# Altium PCB 2.PcbDoc (part 1 of 2) (continued)
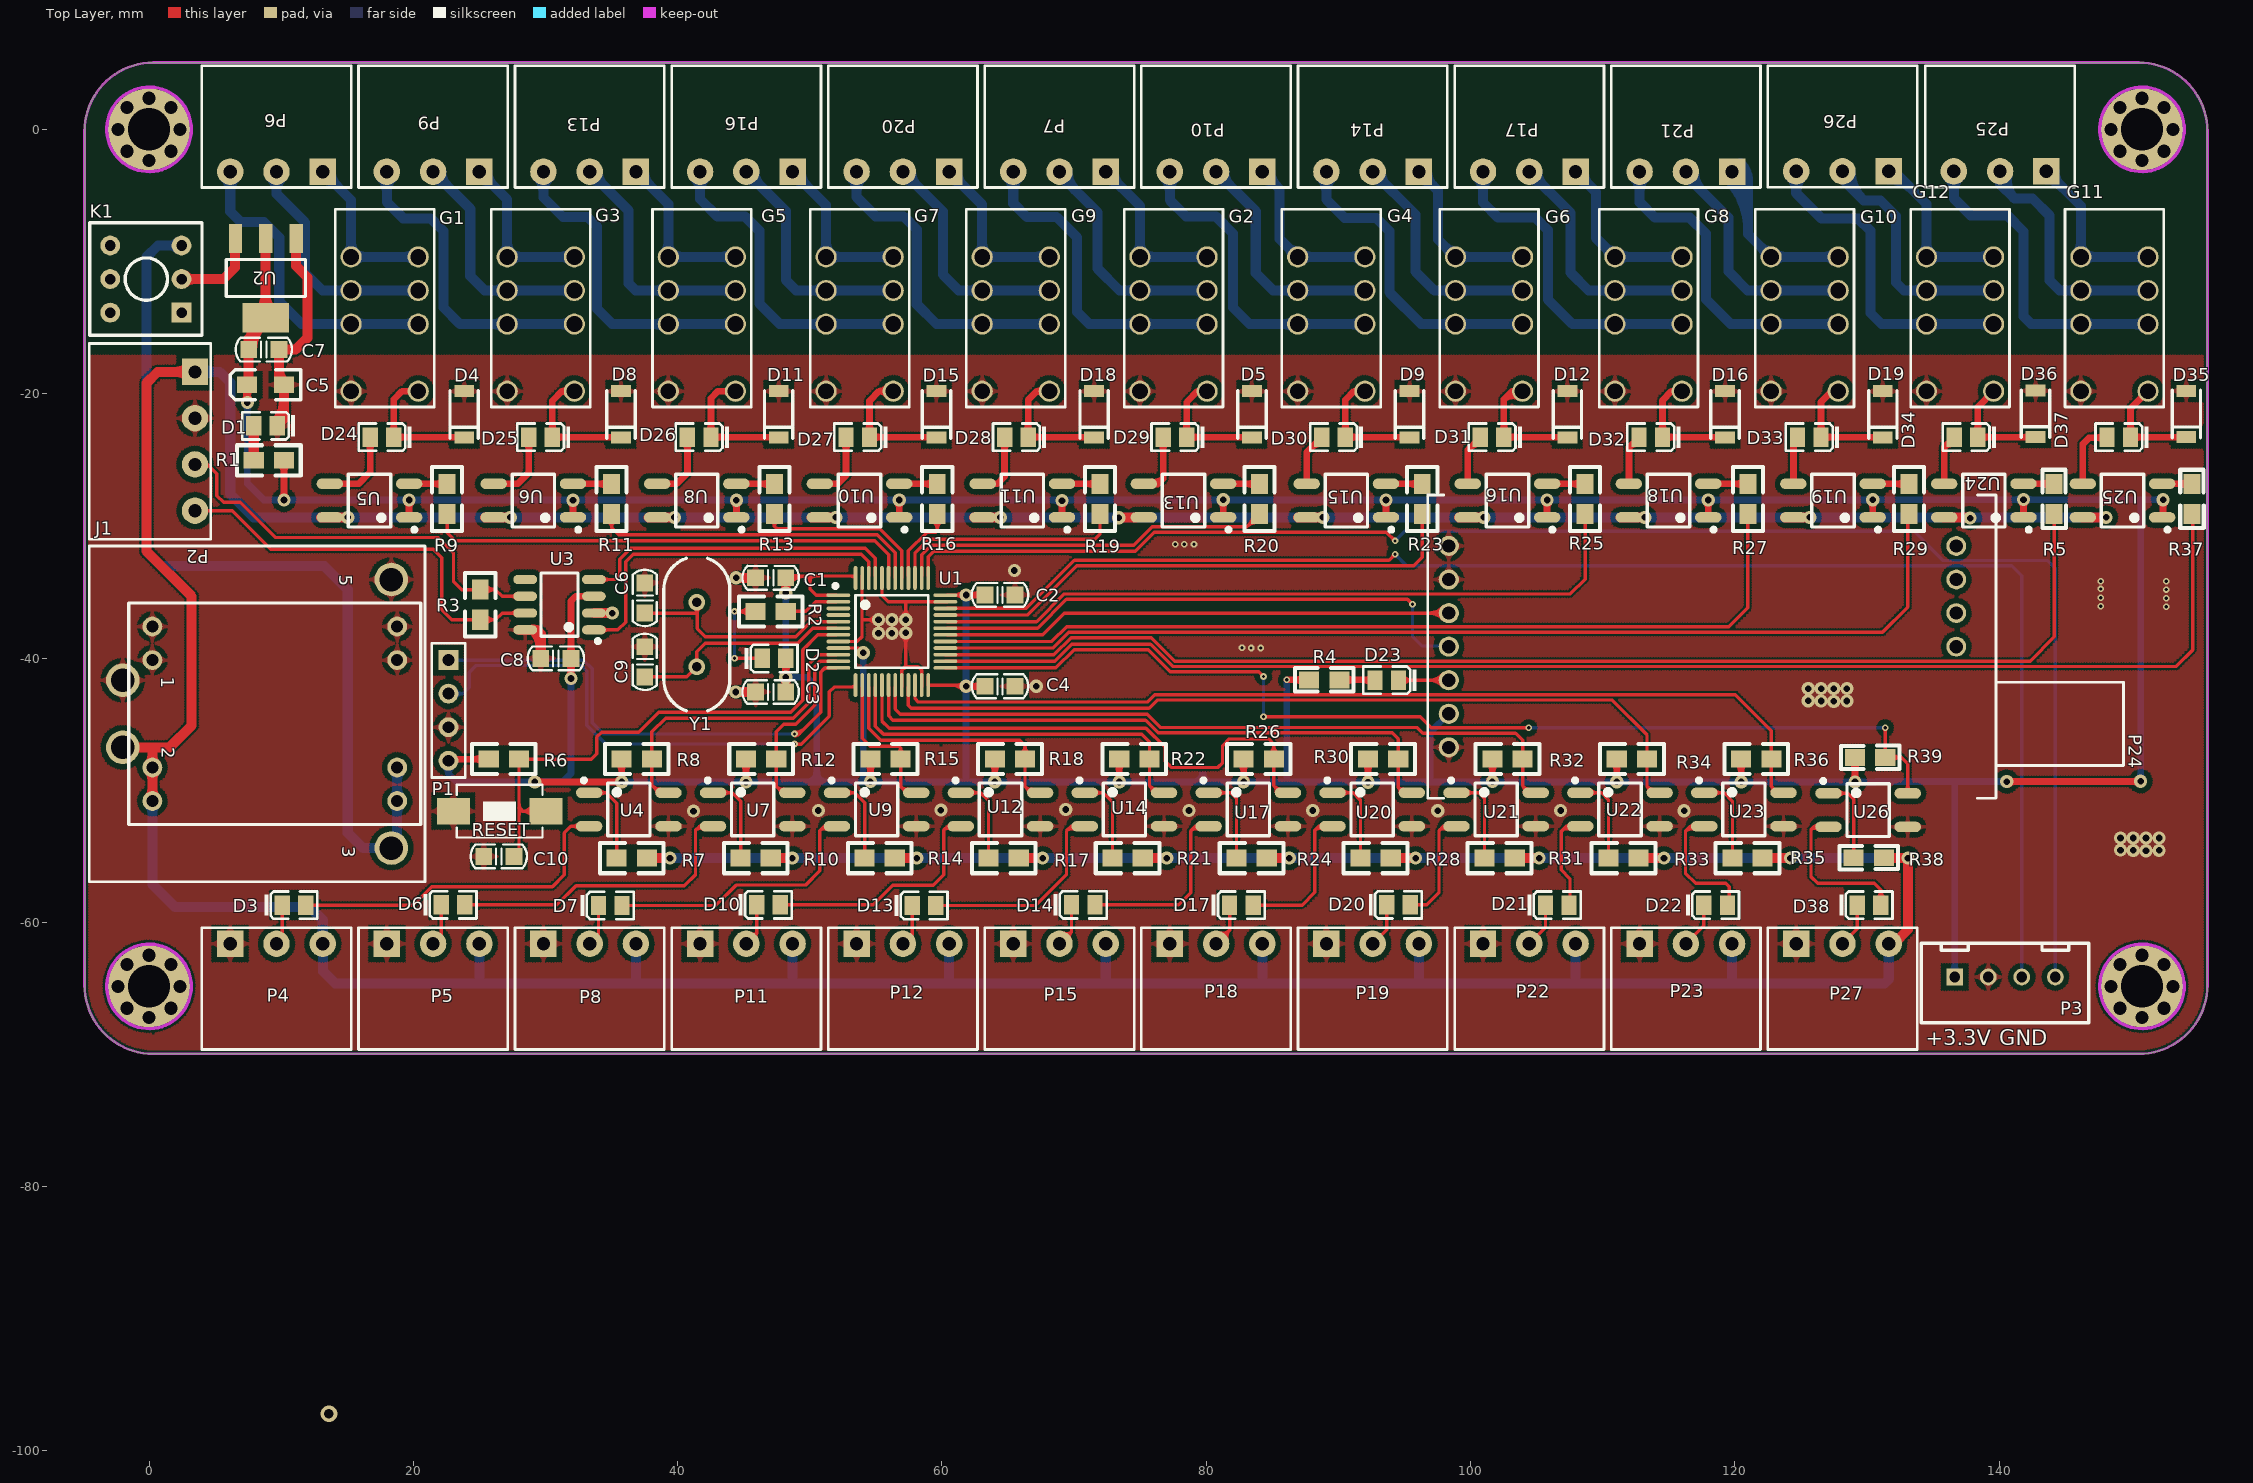
[diagram p0: Top Layer view]
## Nets (pads, with @x,y where several pads share a name; then routed paths per layer and width w, separated by ;. In a path a pad name is that pad's centre, name@x,y a point inside that pad or via, vN(x,y) a via of type N, cw(c..) or ccw(c..) an arc to the next point about the centre after c; other vN are vias at no path point) (continued)
CLOSE_4: G9.3 G9.10 P20.3 | length 30.9
  Bottom Layer w0.762: P20.3@53.106,-3.638 cw(c52.049,-4.695) 53.543,-4.695 cw(c55.038,-4.695) P20.3@53.981,-3.638 ; P20.3@53.543,-3.2 53.543,-5.131 54.991,-6.579 57.099,-6.579 58.09,-7.569 58.09,-13.233 59.588,-14.732 G9.3@63.043,-14.732 G9.10@68.123,-14.732 ; G9.3@62.747,-15.028 ccw(c62.031,-15.744) 62.031,-14.732 ccw(c62.031,-13.72) G9.3@62.747,-14.436 ; G9.3@63.339,-15.028 cw(c64.054,-15.744) 64.054,-14.732 cw(c64.054,-13.72) G9.3@63.339,-14.436 ; G9.10@67.827,-15.028 ccw(c67.111,-15.744) 67.111,-14.732 ccw(c67.111,-13.72) G9.10@67.827,-14.436
CLOSE_5: G2.3 G2.10 P7.3 | length 31.3
  Bottom Layer w0.762: P7.3@64.955,-3.638 cw(c63.898,-4.695) 65.392,-4.695 cw(c66.887,-4.695) P7.3@65.83,-3.638 ; P7.3@65.392,-3.2 65.392,-5.601 66.421,-6.629 68.682,-6.629 70.231,-8.179 70.231,-13.818 71.145,-14.732 G2.3@74.981,-14.732 G2.10@80.061,-14.732 ; G2.3@74.685,-15.028 ccw(c73.969,-15.744) 73.969,-14.732 ccw(c73.969,-13.72) G2.3@74.685,-14.436 ; G2.3@75.277,-15.028 cw(c75.992,-15.744) 75.992,-14.732 cw(c75.992,-13.72) G2.3@75.277,-14.436 ; G2.10@79.765,-15.028 ccw(c79.049,-15.744) 79.049,-14.732 ccw(c79.049,-13.72) G2.10@79.765,-14.436
CLOSE_6: G4.3 G4.10 P10.3 | length 31.2
  Bottom Layer w0.762: P10.3@76.804,-3.638 cw(c75.747,-4.695) 77.241,-4.695 cw(c78.736,-4.695) P10.3@77.679,-3.638 ; P10.3@77.241,-3.2 77.241,-5.359 78.461,-6.579 80.721,-6.579 82.017,-7.874 82.017,-13.487 83.261,-14.732 G4.3@86.919,-14.732 G4.10@91.999,-14.732 ; G4.3@86.623,-15.028 ccw(c85.907,-15.744) 85.907,-14.732 ccw(c85.907,-13.72) G4.3@86.623,-14.436 ; G4.3@87.215,-15.028 cw(c87.93,-15.744) 87.93,-14.732 cw(c87.93,-13.72) G4.3@87.215,-14.436 ; G4.10@91.703,-15.028 ccw(c90.987,-15.744) 90.987,-14.732 ccw(c90.987,-13.72) G4.10@91.703,-14.436
CLOSE_7: G6.3 G6.10 P14.3 | length 30.7
  Bottom Layer w0.762: P14.3@88.653,-3.638 cw(c87.596,-4.695) 89.09,-4.695 cw(c90.585,-4.695) P14.3@89.528,-3.638 ; P14.3@89.09,-3.2 89.09,-5.321 90.475,-6.706 92.862,-6.706 93.853,-7.696 93.853,-12.319 96.266,-14.732 G6.3@98.857,-14.732 G6.10@103.937,-14.732 ; G6.3@98.561,-15.028 ccw(c97.845,-15.744) 97.845,-14.732 ccw(c97.845,-13.72) G6.3@98.561,-14.436 ; G6.3@99.153,-15.028 cw(c99.868,-15.744) 99.868,-14.732 cw(c99.868,-13.72) G6.3@99.153,-14.436 ; G6.10@103.641,-15.028 ccw(c102.925,-15.744) 102.925,-14.732 ccw(c102.925,-13.72) G6.10@103.641,-14.436
CLOSE_8: G8.3 G8.10 P17.3 | length 31.4
  Bottom Layer w0.762: P17.3@100.502,-3.638 cw(c99.445,-4.695) 100.94,-4.695 cw(c102.434,-4.695) P17.3@101.377,-3.638 ; P17.3@100.94,-3.2 100.94,-5.537 102.083,-6.68 104.902,-6.68 105.842,-7.62 105.842,-12.878 107.696,-14.732 G8.3@110.922,-14.732 G8.10@116.002,-14.732 ; G8.3@110.626,-15.028 ccw(c109.91,-15.744) 109.91,-14.732 ccw(c109.91,-13.72) G8.3@110.626,-14.436 ; G8.3@111.218,-15.028 cw(c111.933,-15.744) 111.933,-14.732 cw(c111.933,-13.72) G8.3@111.218,-14.436 ; G8.10@115.706,-15.028 ccw(c114.99,-15.744) 114.99,-14.732 ccw(c114.99,-13.72) G8.10@115.706,-14.436
CLOSE_9: G10.3 G10.10 P21.3 | length 31.2
  Bottom Layer w0.762: P21.3@112.351,-3.638 cw(c111.294,-4.695) 112.789,-4.695 cw(c114.283,-4.695) P21.3@113.226,-3.638 ; P21.3@112.789,-3.2 112.789,-5.524 113.944,-6.68 116.586,-6.68 117.805,-7.899 117.805,-12.852 119.685,-14.732 G10.3@122.733,-14.732 G10.10@127.813,-14.732 ; G10.3@122.437,-15.028 ccw(c121.721,-15.744) 121.721,-14.732 ccw(c121.721,-13.72) G10.3@122.437,-14.436 ; G10.3@123.029,-15.028 cw(c123.744,-15.744) 123.744,-14.732 cw(c123.744,-13.72) G10.3@123.029,-14.436 ; G10.10@127.517,-15.028 ccw(c126.801,-15.744) 126.801,-14.732 ccw(c126.801,-13.72) G10.10@127.517,-14.436
CLOSE_10: G12.3 G12.10 P26.3 | length 31.4
  Bottom Layer w0.762: P26.3@124.2,-3.613 cw(c123.143,-4.669) 124.638,-4.669 cw(c126.132,-4.669) P26.3@125.075,-3.613 ; P26.3@124.638,-3.175 124.638,-4.826 126.568,-6.756 129.337,-6.756 130.251,-7.671 130.251,-13.894 131.089,-14.732 G12.3@134.493,-14.732 G12.10@139.573,-14.732 ; G12.3@134.197,-15.028 ccw(c133.481,-15.744) 133.481,-14.732 ccw(c133.481,-13.72) G12.3@134.197,-14.436 ; G12.3@134.789,-15.028 cw(c135.505,-15.744) 135.505,-14.732 cw(c135.505,-13.72) G12.3@134.789,-14.436 ; G12.10@139.277,-15.028 ccw(c138.561,-15.744) 138.561,-14.732 ccw(c138.561,-13.72) G12.10@139.277,-14.436
CLOSE_11: G11.3 G11.10 P25.3 | length 31.6
  Bottom Layer w0.762: P25.3@136.123,-3.613 cw(c135.066,-4.669) 136.561,-4.669 cw(c138.055,-4.669) P25.3@136.998,-3.613 ; P25.3@136.561,-3.175 136.561,-5.217 137.846,-6.502 140.614,-6.502 141.834,-7.722 141.834,-14.148 142.418,-14.732 G11.3@146.177,-14.732 G11.10@151.257,-14.732 ; G11.3@145.881,-15.028 ccw(c145.165,-15.744) 145.165,-14.732 ccw(c145.165,-13.72) G11.3@145.881,-14.436 ; G11.3@146.473,-15.028 cw(c147.189,-15.744) 147.189,-14.732 cw(c147.189,-13.72) G11.3@146.473,-14.436 ; G11.10@150.961,-15.028 ccw(c150.245,-15.744) 150.245,-14.732 ccw(c150.245,-13.72) G11.10@150.961,-14.436
COM0: G1.4 G1.9 P6.2 | length 24.8
  Bottom Layer w0.762: P6.2@9.209,-3.638 cw(c8.152,-4.695) 9.647,-4.695 cw(c11.141,-4.695) P6.2@10.084,-3.638 ; P6.2@9.647,-3.2 9.647,-4.872 11.811,-7.036 11.811,-10.871 13.132,-12.192 G1.4@15.291,-12.192 G1.9@20.371,-12.192 ; G1.4@14.995,-12.488 ccw(c14.279,-13.204) 14.279,-12.192 ccw(c14.279,-11.18) G1.4@14.995,-11.896 ; G1.4@15.587,-12.488 cw(c16.302,-13.204) 16.302,-12.192 cw(c16.302,-11.18) G1.4@15.587,-11.896 ; G1.9@20.075,-12.488 ccw(c19.359,-13.204) 19.359,-12.192 ccw(c19.359,-11.18) G1.9@20.075,-11.896
COM1: G3.4 G3.9 P9.2 | length 24.5
  Bottom Layer w0.762: P9.2@21.496,-3.819 cw(c21.496,-5.314) 22.553,-4.257 cw(c23.609,-3.2) P9.2@22.115,-3.2 ; P9.2@21.496,-3.2 24.308,-6.012 24.308,-11.1 25.4,-12.192 G3.4@27.102,-12.192 G3.9@32.182,-12.192 ; G3.4@26.806,-12.488 ccw(c26.09,-13.204) 26.09,-12.192 ccw(c26.09,-11.18) G3.4@26.806,-11.896 ; G3.4@27.398,-12.488 cw(c28.113,-13.204) 28.113,-12.192 cw(c28.113,-11.18) G3.4@27.398,-11.896 ; G3.9@31.886,-12.488 ccw(c31.17,-13.204) 31.17,-12.192 ccw(c31.17,-11.18) G3.9@31.886,-11.896
COM2: G5.4 G5.9 P13.2 | length 25.1
  Bottom Layer w0.762: P13.2@33.345,-3.819 cw(c33.345,-5.314) 34.402,-4.257 cw(c35.458,-3.2) P13.2@33.964,-3.2 ; P13.2@33.345,-3.2 36.297,-6.152 36.297,-11.659 36.83,-12.192 G5.4@39.294,-12.192 G5.9@44.374,-12.192 ; G5.4@38.998,-12.488 ccw(c38.282,-13.204) 38.282,-12.192 ccw(c38.282,-11.18) G5.4@38.998,-11.896 ; G5.4@39.59,-12.488 cw(c40.305,-13.204) 40.305,-12.192 cw(c40.305,-11.18) G5.4@39.59,-11.896 ; G5.9@44.078,-12.488 ccw(c43.362,-13.204) 43.362,-12.192 ccw(c43.362,-11.18) G5.9@44.078,-11.896
COM3: G7.4 G7.9 P16.2 | length 25
  Bottom Layer w0.762: P16.2@45.194,-3.819 cw(c45.194,-5.314) 46.251,-4.257 cw(c47.307,-3.2) P16.2@45.813,-3.2 ; P16.2@45.194,-3.2 48.184,-6.19 48.184,-11.405 48.971,-12.192 G7.4@51.232,-12.192 G7.9@56.312,-12.192 ; G7.4@50.936,-12.488 ccw(c50.22,-13.204) 50.22,-12.192 ccw(c50.22,-11.18) G7.4@50.936,-11.896 ; G7.4@51.528,-12.488 cw(c52.243,-13.204) 52.243,-12.192 cw(c52.243,-11.18) G7.4@51.528,-11.896 ; G7.9@56.016,-12.488 ccw(c55.3,-13.204) 55.3,-12.192 ccw(c55.3,-11.18) G7.9@56.016,-11.896
COM4: G9.4 G9.9 P20.2 | length 24.7
  Bottom Layer w0.762: P20.2@57.043,-3.819 cw(c57.043,-5.314) 58.1,-4.257 cw(c59.157,-3.2) P20.2@57.662,-3.2 ; P20.2@57.043,-3.2 60.071,-6.228 60.071,-10.998 61.265,-12.192 G9.4@63.043,-12.192 G9.9@68.123,-12.192 ; G9.4@62.747,-12.488 ccw(c62.031,-13.204) 62.031,-12.192 ccw(c62.031,-11.18) G9.4@62.747,-11.896 ; G9.4@63.339,-12.488 cw(c64.054,-13.204) 64.054,-12.192 cw(c64.054,-11.18) G9.4@63.339,-11.896 ; G9.9@67.827,-12.488 ccw(c67.111,-13.204) 67.111,-12.192 ccw(c67.111,-11.18) G9.9@67.827,-11.896
COM5: G2.4 G2.9 P7.2 | length 24.6
  Bottom Layer w0.762: P7.2@68.892,-3.819 cw(c68.892,-4.805) 69.589,-4.108 ; P7.2@68.892,-3.2 68.892,-3.411 71.78,-6.299 71.78,-10.541 73.431,-12.192 G2.4@74.981,-12.192 G2.9@80.061,-12.192 ; P7.2@69.511,-3.2 ccw(c71.514,-3.2) 70.098,-4.617 ; G2.4@74.685,-12.488 ccw(c73.969,-13.204) 73.969,-12.192 ccw(c73.969,-11.18) G2.4@74.685,-11.896 ; G2.4@75.277,-12.488 cw(c75.992,-13.204) 75.992,-12.192 cw(c75.992,-11.18) G2.4@75.277,-11.896 ; G2.9@79.765,-12.488 ccw(c79.049,-13.204) 79.049,-12.192 ccw(c79.049,-11.18) G2.9@79.765,-11.896
COM6: G4.4 G4.9 P10.2 | length 24.8
  Bottom Layer w0.762: P10.2@80.741,-3.819 cw(c80.741,-5.314) 81.798,-4.257 cw(c82.855,-3.2) P10.2@81.36,-3.2 ; P10.2@80.741,-3.2 83.744,-6.203 83.744,-10.871 85.065,-12.192 G4.4@86.919,-12.192 G4.9@91.999,-12.192 ; G4.4@86.623,-12.488 ccw(c85.907,-13.204) 85.907,-12.192 ccw(c85.907,-11.18) G4.4@86.623,-11.896 ; G4.4@87.215,-12.488 cw(c87.93,-13.204) 87.93,-12.192 cw(c87.93,-11.18) G4.4@87.215,-11.896 ; G4.9@91.703,-12.488 ccw(c90.987,-13.204) 90.987,-12.192 ccw(c90.987,-11.18) G4.9@91.703,-11.896
COM7: G6.4 G6.9 P14.2 | length 24.7
  Bottom Layer w0.762: P14.2@92.591,-3.819 cw(c92.591,-5.314) 93.647,-4.257 cw(c94.704,-3.2) P14.2@93.21,-3.2 ; P14.2@92.591,-3.2 95.834,-6.444 95.834,-10.77 97.257,-12.192 G6.4@98.857,-12.192 G6.9@103.937,-12.192 ; G6.4@98.561,-12.488 ccw(c97.845,-13.204) 97.845,-12.192 ccw(c97.845,-11.18) G6.4@98.561,-11.896 ; G6.4@99.153,-12.488 cw(c99.868,-13.204) 99.868,-12.192 cw(c99.868,-11.18) G6.4@99.153,-11.896 ; G6.9@103.641,-12.488 ccw(c102.925,-13.204) 102.925,-12.192 ccw(c102.925,-11.18) G6.9@103.641,-11.896
COM8: G8.4 G8.9 P17.2 | length 25
  Bottom Layer w0.762: P17.2@104.44,-3.819 cw(c104.44,-5.314) 105.496,-4.257 cw(c106.553,-3.2) P17.2@105.059,-3.2 ; P17.2@104.44,-3.2 107.569,-6.33 107.569,-10.846 108.915,-12.192 G8.4@110.922,-12.192 G8.9@116.002,-12.192 ; G8.4@110.626,-12.488 ccw(c109.91,-13.204) 109.91,-12.192 ccw(c109.91,-11.18) G8.4@110.626,-11.896 ; G8.4@111.218,-12.488 cw(c111.933,-13.204) 111.933,-12.192 cw(c111.933,-11.18) G8.4@111.218,-11.896 ; G8.9@115.706,-12.488 ccw(c114.99,-13.204) 114.99,-12.192 ccw(c114.99,-11.18) G8.9@115.706,-11.896
COM9: G10.4 G10.9 P21.2 | length 24.7
  Bottom Layer w0.762: P21.2@116.289,-3.819 cw(c116.289,-4.682) 116.899,-4.072 ; P21.2@116.665,-3.2 116.665,-3.838 119.507,-6.68 119.507,-10.744 120.955,-12.192 G10.4@122.733,-12.192 G10.9@127.813,-12.192 ; P21.2@116.908,-3.2 ccw(c119.033,-3.2) 117.53,-4.704 ; G10.4@122.437,-12.488 ccw(c121.721,-13.204) 121.721,-12.192 ccw(c121.721,-11.18) G10.4@122.437,-11.896 ; G10.4@123.029,-12.488 cw(c123.744,-13.204) 123.744,-12.192 cw(c123.744,-11.18) G10.4@123.029,-11.896 ; G10.9@127.517,-12.488 ccw(c126.801,-13.204) 126.801,-12.192 ccw(c126.801,-11.18) G10.9@127.517,-11.896
COM10: G12.4 G12.9 P26.2 | length 25.6
  Bottom Layer w0.762: P26.2@128.138,-3.175 128.138,-3.779 129.743,-5.385 131.013,-5.385 132.182,-6.553 132.182,-11.582 132.791,-12.192 G12.4@134.493,-12.192 G12.9@139.573,-12.192 ; P26.2@128.757,-3.175 ccw(c131.71,-3.175) 129.622,-5.263 ; G12.4@134.197,-12.488 ccw(c133.481,-13.204) 133.481,-12.192 ccw(c133.481,-11.18) G12.4@134.197,-11.896 ; G12.4@134.789,-12.488 cw(c135.505,-13.204) 135.505,-12.192 cw(c135.505,-11.18) G12.4@134.789,-11.896 ; G12.9@139.277,-12.488 ccw(c138.561,-13.204) 138.561,-12.192 ccw(c138.561,-11.18) G12.9@139.277,-11.896
COM11: G11.4 G11.9 P25.2 | length 26.5
  Bottom Layer w0.762: P25.2@139.923,-3.136 ccw(c141.08,-3.464) 140.23,-4.314 ; P25.2@140.061,-3.175 140.061,-4.145 141.148,-5.232 ; P25.2@140.656,-3.344 ccw(c142.511,-3.87) 141.148,-5.232 ; G11.4@145.881,-12.488 ccw(c145.165,-13.204) 145.165,-12.192 ccw(c145.165,-11.18) G11.4@145.881,-11.896 ; G11.4@146.473,-12.488 cw(c147.189,-13.204) 147.189,-12.192 cw(c147.189,-11.18) G11.4@146.473,-11.896 ; G11.9@150.961,-12.488 ccw(c150.245,-13.204) 150.245,-12.192 ccw(c150.245,-11.18) G11.9@150.961,-11.896 ; G11.9@151.257,-12.192 G11.4@146.177,-12.192 144.577,-12.192 143.815,-11.43 143.815,-6.528 142.519,-5.232 141.148,-5.232
DI0: D3.K P4.2 | length 3.1
  Top Layer w0.254: P4.2@9.647,-61.62 10.083,-61.184 D3.K@10.083,-58.699
DI1: D6.K P5.2 | length 3.2
  Top Layer w0.254: P5.2@21.496,-61.62 22.122,-60.994 D6.K@22.122,-58.674
DI2: D7.K P8.2 | length 3.5
  Top Layer w0.254: P8.2@33.69,-61.62 P8.2@33.345,-61.62 34.01,-60.956 D7.K@34.01,-58.725
DI3: D10.K P11.2 | length 4
  Top Layer w0.254: P11.2@45.194,-61.62 45.973,-60.842 ; P11.2@45.654,-60.878 ccw(c45.79,-60.659) 45.973,-60.842 ; P11.2@45.936,-61.16 cw(c46.156,-61.024) 45.973,-60.842 ; D10.K@45.973,-58.674 45.973,-60.842
DI4: D13.K P12.2 | length 4
  Top Layer w0.254: P12.2@57.397,-61.62 P12.2@57.043,-61.62 57.759,-60.905 ; P12.2@57.563,-60.919 ccw(c57.653,-60.799) 57.759,-60.905 ; P12.2@57.744,-61.1 cw(c57.864,-61.011) 57.759,-60.905 ; D13.K@57.759,-58.725 57.759,-60.905
DI5: D14.K P15.2 | length 4.9
  Top Layer w0.254: P15.2@69.241,-60.82 ccw(c69.442,-60.359) 69.798,-60.715 ; P15.2@69.25,-61.62 P15.2@68.892,-61.62 69.798,-60.715 ; P15.2@69.693,-61.272 cw(c70.154,-61.071) 69.798,-60.715 ; D14.K@69.798,-58.674 69.798,-60.715
DI6: D17.K P18.2 | length 6.2
  Top Layer w0.254: P18.2@80.741,-61.62 81.762,-60.6 ; P18.2@80.926,-61.03 ccw(c81.086,-60.518) 81.465,-60.897 ccw(c81.844,-61.276) P18.2@81.332,-61.436 ; P18.2@81.002,-60.787 ccw(c81.227,-60.066) 81.762,-60.6 ; P18.2@81.575,-61.36 cw(c82.296,-61.135) 81.762,-60.6 ; D17.K@81.762,-58.699 81.762,-60.6
DI7: D20.K P19.2 | length 3.4
  Top Layer w0.254: P19.2@92.591,-61.62 93.649,-60.562 D20.K@93.649,-58.674
DI8: D21.K P22.2 | length 3.4
  Top Layer w0.254: P22.2@104.44,-61.62 105.663,-60.397 D21.K@105.663,-58.699
DI9: D22.K P23.2 | length 3.5
  Top Layer w0.254: P23.2@116.289,-61.62 117.652,-60.257 D22.K@117.652,-58.699
DI10: D38.K P27.2 | length 3.4
  Top Layer w0.254: P27.2@128.138,-61.62 129.26,-60.499 D38.K@129.26,-58.699
DII0: R8.1 U1.10 U4.4 | length 25.3
  Top Layer w0.254: 38.074,-49.656 ccw(c38.704,-49.026) U4.4@38.704,-49.917 ; 38.306,-49.889 cw(c38.004,-50.19) U4.4@38.431,-50.19 ; U4.4@39.954,-50.19 38.608,-50.19 38.049,-49.632 R8.1@38.049,-47.65 38.049,-45.593 39.091,-44.552 48.754,-44.552 49.911,-43.395 49.911,-40.462 50.625,-39.748 U1.10@52.01,-39.748
DII1: R12.1 U1.11 U7.4 | length 15.6
  Top Layer w0.254: 47.719,-49.979 cw(c47.507,-50.19) U7.4@47.806,-50.19 ; U7.4@48.044,-49.92 cw(c47.953,-49.23) 47.461,-49.722 ; U7.4@49.329,-50.19 47.93,-50.19 47.461,-49.722 ; U1.11@52.01,-40.248 50.771,-40.248 50.368,-40.652 50.368,-43.584 48.944,-45.009 48.031,-45.009 47.461,-45.579 R12.1@47.461,-47.65 47.461,-49.722
DII2: R15.1 U1.14 U9.4 | length 13.8
  Top Layer w0.254: U1.14@53.96,-42.198 53.96,-46.061 54.585,-46.685 56.744,-46.685 56.873,-46.815 ; R15.1@56.64,-47.199 ccw(c56.441,-46.815) 56.873,-46.815 ; 57.077,-49.94 cw(c56.826,-50.19) U9.4@57.181,-50.19 ; R15.1@57.107,-47.199 cw(c57.306,-46.815) 56.873,-46.815 ; U9.4@57.418,-49.92 cw(c57.331,-49.278) 56.873,-49.736 ; U9.4@58.704,-50.19 57.328,-50.19 56.873,-49.736 ; 56.873,-49.736 R15.1@56.873,-47.65 56.873,-46.815
DII3: R18.1 U1.15 U12.4 | length 22.9
  Top Layer w0.254: U1.15@54.46,-42.198 54.46,-45.302 55.386,-46.228 65.879,-46.228 66.286,-46.634 ; R18.1@65.981,-47.244 ccw(c65.524,-46.634) 66.286,-46.634 ; 66.436,-49.9 cw(c66.146,-50.19) U12.4@66.556,-50.19 ; R18.1@66.59,-47.244 cw(c67.047,-46.634) 66.286,-46.634 ; U12.4@66.791,-49.92 cw(c66.709,-49.326) 66.286,-49.75 ; U12.4@68.079,-50.19 66.726,-50.19 66.286,-49.75 ; 66.286,-49.75 R18.1@66.286,-47.65 66.286,-46.634
DII4: R22.1 U1.16 U14.4 | length 30.5
  Top Layer w0.254: U1.16@54.96,-42.198 54.96,-45.156 55.575,-45.771 75.133,-45.771 75.698,-46.335 R22.1@75.698,-47.65 75.698,-49.637 76.251,-50.19 U14.4@77.454,-50.19 ; 75.704,-49.644 cw(c75.158,-50.19) U14.4@75.931,-50.19 ; 75.818,-49.758 ccw(c76.204,-49.372) U14.4@76.204,-49.917
DII5: R26.1 U1.17 U17.4 | length 43.8
  Top Layer w0.254: U1.17@55.46,-42.198 55.46,-44.767 56.007,-45.314 75.438,-45.314 76.886,-46.761 76.886,-47.803 77.368,-48.285 80.874,-48.285 81.229,-47.93 81.229,-46.634 81.737,-46.126 84.709,-46.126 85.11,-46.527 ; R26.1@84.774,-47.269 ccw(c84.122,-46.527) 85.11,-46.527 ; 85.232,-49.774 ccw(c85.579,-49.428) U17.4@85.579,-49.917 ; U17.4@85.306,-50.173 ccw(c84.632,-50.129) 85.11,-49.651 ; R26.1@85.445,-47.269 cw(c86.097,-46.527) 85.11,-46.527 ; U17.4@86.829,-50.19 85.649,-50.19 85.11,-49.651 ; 85.11,-49.651 R26.1@85.11,-47.65 85.11,-46.527
DII6: R30.1 U1.18 U20.4 | length 47.8
  Top Layer w0.254: U1.18@55.96,-42.198 55.96,-44.378 56.286,-44.704 75.403,-44.704 76.368,-45.669 94.065,-45.669 94.522,-46.126 R30.1@94.522,-47.65 94.522,-49.792 ; U20.4@94.681,-50.186 ccw(c94.139,-50.176) 94.522,-49.792 ; U20.4@94.912,-49.921 cw(c94.844,-49.471) 94.522,-49.792 ; U20.4@96.204,-50.19 94.92,-50.19 94.522,-49.792
DII7: R32.1 U1.19 U21.4 | length 56.2
  Top Layer w0.254: U1.19@56.46,-42.198 56.46,-43.862 56.845,-44.247 75.521,-44.247 76.537,-45.263 95.961,-45.263 96.393,-45.695 103.401,-45.695 103.934,-46.228 R32.1@103.934,-47.65 103.934,-49.68 ; 104.061,-49.807 ccw(c104.328,-49.539) U21.4@104.328,-49.917 ; U21.4@104.062,-50.129 ccw(c103.594,-50.02) 103.934,-49.68 ; U21.4@105.578,-50.19 104.445,-50.19 103.934,-49.68
DII8: R34.1 U1.21 U22.4 | length 65.1
  Top Layer w0.254: U1.21@57.46,-42.198 57.46,-43.592 57.658,-43.79 75.667,-43.79 76.276,-43.18 110.704,-43.18 113.346,-45.822 R34.1@113.346,-47.65 113.346,-49.694 ; U22.4@113.444,-50.105 ccw(c113.061,-49.979) 113.346,-49.694 ; 113.475,-49.823 ccw(c113.703,-49.595) U22.4@113.703,-49.917 ; U22.4@114.953,-50.19 113.843,-50.19 113.346,-49.694
DII9: R36.1 U1.22 U23.4 | length 73.5
  Top Layer w0.254: U1.22@57.96,-42.198 57.96,-43.076 58.217,-43.332 75.549,-43.332 76.108,-42.774 120.015,-42.774 122.758,-45.517 R36.1@122.758,-47.65 122.758,-49.708 ; U23.4@122.828,-50.081 ccw(c122.521,-49.945) 122.758,-49.708 ; U23.4@124.328,-50.19 123.241,-50.19 122.758,-49.708
DII10: R39.1 U1.25 U26.4 | length 88.5
  Top Layer w0.254: U1.25@60.26,-40.748 68.621,-40.748 69.996,-39.373 75.613,-39.373 77.286,-41.046 83.972,-41.046 v2(84.328,-41.402) ; v2@84.205,-41.402 ccw(c83.908,-41.402) 84.118,-41.192 ccw(c84.328,-40.982) v2@84.328,-41.279 ; v2(84.328,-44.45) 96.19,-44.45 97.028,-45.288 v2(104.394,-45.288) ; v2@84.415,-44.537 cw(c84.625,-44.747) 84.625,-44.45 cw(c84.625,-44.153) v2@84.415,-44.363 ; v2@104.307,-45.375 ccw(c104.097,-45.585) 104.097,-45.288 ccw(c104.097,-44.991) v2@104.307,-45.201 ; v2@131.282,-45.375 cw(c131.072,-45.585) 131.369,-45.585 cw(c131.666,-45.585) v2@131.456,-45.375 ; v2(131.369,-45.288) R39.1@131.369,-47.523 132.512,-47.523 ; R39.1@131.902,-47.828 cw(c132.512,-48.285) 132.512,-47.523 ; R39.1@131.902,-47.219 ccw(c132.512,-46.761) 132.512,-47.523 ; U26.4@132.883,-50.048 ccw(c132.417,-49.582) 133.076,-49.582 ccw(c133.735,-49.582) U26.4@133.269,-50.048 ; U26.4@133.076,-50.241 133.076,-47.986 132.563,-47.473 132.512,-47.523
  Bottom Layer w0.254: v2@84.241,-44.363 ccw(c84.031,-44.153) 84.328,-44.153 ccw(c84.625,-44.153) v2@84.415,-44.363 ; v2@84.241,-41.489 cw(c84.031,-41.699) 84.328,-41.699 cw(c84.625,-41.699) v2@84.415,-41.489 ; v2(84.328,-44.45) v2(84.328,-41.402) ; v2(104.394,-45.288) v2(131.369,-45.288) ; v2@104.481,-45.375 cw(c104.691,-45.585) 104.691,-45.288 cw(c104.691,-44.991) v2@104.481,-45.201 ; v2@131.282,-45.375 ccw(c131.072,-45.585) 131.072,-45.288 ccw(c131.072,-44.991) v2@131.282,-45.201
DO0: D4.2 D24.K G1.12 | length 12.6
  Top Layer w0.508: D24.K@18.287,-22.906 ccw(c17.731,-22.35) 18.518,-22.35 ccw(c19.305,-22.35) D24.K@18.748,-22.906 ; D24.K@18.518,-23.292 23.83,-23.292 D4.2@23.851,-23.312 ; D24.K@18.518,-22.657 18.518,-20.446 19.152,-19.812 G1.12@20.371,-19.812 ; D24.K@18.748,-23.522 cw(c19.305,-24.079) 19.305,-23.292 cw(c19.305,-22.505) D24.K@18.748,-23.061 ; 23.029,-23.292 cw(c23.029,-23.834) D4.2@23.412,-23.451
DO1: D8.2 D25.K G3.12 | length 13.3
  Top Layer w0.508: D25.K@30.287,-22.906 ccw(c29.731,-22.35) 30.518,-22.35 ccw(c31.305,-22.35) D25.K@30.748,-22.906 ; D25.K@30.518,-23.292 35.689,-23.292 D8.2@35.71,-23.312 ; D25.K@30.518,-22.657 30.518,-20.536 31.242,-19.812 ; D25.K@30.748,-23.522 cw(c31.305,-24.079) 31.305,-23.292 cw(c31.305,-22.505) D25.K@30.748,-23.061 ; G3.12@31.707,-20.082 ccw(c31.242,-20.348) 31.242,-19.812 ; G3.12@31.707,-19.542 cw(c31.242,-19.276) 31.242,-19.812 ; G3.12@32.182,-19.812 31.242,-19.812 ; 34.888,-23.292 cw(c34.888,-23.834) D8.2@35.271,-23.451
DO2: D11.2 D26.K G5.12 | length 12.4
  Top Layer w0.508: D26.K@42.287,-22.906 ccw(c41.731,-22.35) 42.518,-22.35 ccw(c43.305,-22.35) D26.K@42.748,-22.906 ; D26.K@42.518,-23.292 47.625,-23.292 D11.2@47.645,-23.312 ; D26.K@42.518,-22.657 42.518,-20.347 43.053,-19.812 G5.12@44.374,-19.812 ; D26.K@42.748,-23.522 cw(c43.305,-24.079) 43.305,-23.292 cw(c43.305,-22.505) D26.K@42.748,-23.061 ; 46.823,-23.292 cw(c46.823,-23.834) D11.2@47.206,-23.451
DO3: D15.2 D27.K G7.12 | length 13.6
  Top Layer w0.508: D27.K@54.287,-22.906 ccw(c53.731,-22.35) 54.518,-22.35 ccw(c55.305,-22.35) D27.K@54.748,-22.906 ; D27.K@54.518,-23.292 59.56,-23.292 D15.2@59.58,-23.312 ; D27.K@54.518,-22.657 54.518,-20.539 55.245,-19.812 ; D27.K@54.748,-23.522 cw(c55.305,-24.079) 55.305,-23.292 cw(c55.305,-22.505) D27.K@54.748,-23.061 ; G7.12@55.869,-20.131 ccw(c55.245,-20.581) 55.245,-19.812 ; G7.12@55.869,-19.493 cw(c55.245,-19.043) 55.245,-19.812 ; G7.12@56.312,-19.812 55.245,-19.812 ; 58.758,-23.292 cw(c58.758,-23.834) D15.2@59.141,-23.451
DO4: D18.2 D28.K G9.12 | length 13.1
  Top Layer w0.508: D28.K@66.287,-22.906 ccw(c65.731,-22.35) 66.518,-22.35 ccw(c67.305,-22.35) D28.K@66.748,-22.906 ; D28.K@66.518,-23.292 71.495,-23.292 D18.2@71.515,-23.312 ; D28.K@66.518,-22.657 66.518,-20.477 67.183,-19.812 ; D28.K@66.748,-23.522 cw(c67.305,-24.079) 67.305,-23.292 cw(c67.305,-22.505) D28.K@66.748,-23.061 ; G9.12@67.648,-20.082 ccw(c67.183,-20.348) 67.183,-19.812 ; G9.12@67.648,-19.542 cw(c67.183,-19.276) 67.183,-19.812 ; G9.12@68.123,-19.812 67.183,-19.812 ; 70.693,-23.292 cw(c70.693,-23.834) D18.2@71.077,-23.451
DO5: D5.2 D29.K G2.12 | length 11.7
  Top Layer w0.508: D29.K@78.288,-22.906 ccw(c77.731,-22.35) 78.518,-22.35 ccw(c79.305,-22.35) D29.K@78.749,-22.906 ; D29.K@78.518,-23.292 83.43,-23.292 D5.2@83.45,-23.312 ; D29.K@78.518,-22.657 78.518,-20.644 79.35,-19.812 G2.12@80.061,-19.812 ; D29.K@78.749,-23.522 cw(c79.305,-24.079) 79.305,-23.292 cw(c79.305,-22.505) D29.K@78.749,-23.061 ; 82.628,-23.292 cw(c82.628,-23.834) D5.2@83.012,-23.451
DO6: D9.2 D30.K G4.12 | length 12.5
  Top Layer w0.508: D30.K@90.288,-22.906 ccw(c89.731,-22.35) 90.518,-22.35 ccw(c91.305,-22.35) D30.K@90.749,-22.906 ; D30.K@90.518,-23.292 95.365,-23.292 D9.2@95.385,-23.312 ; D30.K@90.518,-22.657 90.518,-20.48 91.186,-19.812 ; D30.K@90.749,-23.522 cw(c91.305,-24.079) 91.305,-23.292 cw(c91.305,-22.505) D30.K@90.749,-23.061 ; G4.12@91.493,-20.018 ccw(c91.186,-20.144) 91.186,-19.812 ; G4.12@91.493,-19.606 cw(c91.186,-19.48) 91.186,-19.812 ; G4.12@91.999,-19.812 91.186,-19.812 ; 94.563,-23.292 cw(c94.563,-23.834) D9.2@94.947,-23.451
DO7: D12.2 D31.K G6.12 | length 13.9
  Top Layer w0.508: D31.K@102.288,-22.906 ccw(c101.731,-22.35) 102.518,-22.35 ccw(c103.305,-22.35) D31.K@102.749,-22.906 ; D31.K@102.518,-23.292 107.3,-23.292 D12.2@107.321,-23.312 ; D31.K@102.518,-22.657 102.518,-20.443 ; D31.K@102.749,-23.522 cw(c103.305,-24.079) 103.305,-23.292 cw(c103.305,-22.505) D31.K@102.749,-23.061 ; 102.99,-19.971 cw(c103.537,-20.518) G6.12@103.918,-19.845 ; G6.12@103.668,-20.287 ccw(c103.196,-21.12) 102.518,-20.443 ; G6.12@103.937,-19.812 103.149,-19.812 102.518,-20.443 ; 106.499,-23.292 cw(c106.499,-23.834) D12.2@106.882,-23.451
DO8: D16.2 D32.K G8.12 | length 11.6
  Top Layer w0.508: D32.K@114.288,-22.906 ccw(c113.731,-22.35) 114.518,-22.35 ccw(c115.305,-22.35) D32.K@114.749,-22.906 ; D32.K@114.518,-23.292 119.236,-23.292 D16.2@119.256,-23.312 ; D32.K@114.518,-22.657 114.518,-20.508 115.214,-19.812 G8.12@116.002,-19.812 ; D32.K@114.749,-23.522 cw(c115.305,-24.079) 115.305,-23.292 cw(c115.305,-22.505) D32.K@114.749,-23.061 ; 118.434,-23.292 cw(c118.434,-23.834) D16.2@118.817,-23.451
DO9: D19.2 D33.K G10.12 | length 11.2
  Top Layer w0.508: D33.K@126.288,-22.906 ccw(c125.731,-22.35) 126.518,-22.35 ccw(c127.305,-22.35) D33.K@126.749,-22.906 ; D33.K@126.518,-23.292 131.171,-23.292 D19.2@131.191,-23.312 ; D33.K@126.518,-22.657 126.518,-20.624 127.33,-19.812 G10.12@127.813,-19.812 ; D33.K@126.749,-23.522 cw(c127.305,-24.079) 127.305,-23.292 cw(c127.305,-22.505) D33.K@126.749,-23.061 ; 130.369,-23.292 cw(c130.369,-23.834) D19.2@130.752,-23.451
DO10: D34.K D36.2 G12.12 | length 11.3
  Top Layer w0.508: D34.K@138.15,-22.906 ccw(c137.593,-22.35) 138.38,-22.35 ccw(c139.167,-22.35) D34.K@138.611,-22.906 ; D34.K@138.611,-23.522 cw(c139.167,-24.079) 139.167,-23.292 cw(c139.167,-22.505) D34.K@138.611,-23.061 ; G12.12@139.573,-19.812 138.38,-21.005 D34.K@138.38,-23.292 142.723,-23.292 D36.2@142.748,-23.266 ; 141.913,-23.292 ccw(c141.913,-22.732) D36.2@142.309,-23.128
DO11: D35.2 D37.K G11.12 | length 11.5
  Top Layer w0.508: D37.K@149.707,-22.906 ccw(c149.15,-22.35) 149.937,-22.35 ccw(c150.724,-22.35) D37.K@150.168,-22.906 ; D37.K@150.168,-23.522 cw(c150.724,-24.079) 150.724,-23.292 cw(c150.724,-22.505) D37.K@150.168,-23.061 ; G11.12@151.257,-19.812 149.937,-21.132 D37.K@149.937,-23.292 D35.2@154.153,-23.292 ; D35.2@153.714,-23.43 ccw(c153.379,-23.765) 153.379,-23.292 ccw(c153.379,-22.819) D35.2@153.714,-23.153
DOO0: R9.1 U1.43 | length 37.1
  Top Layer w0.254: R9.1@22.555,-29.108 22.555,-30.531 23.165,-31.14 54.915,-31.14 55.96,-32.186 U1.43@55.96,-33.798
DOO1: R11.1 U1.42 | length 26.3
  Top Layer w0.254: R11.1@34.733,-29.667 cw(c34.432,-30.15) 35.001,-30.15 ; R11.1@35.001,-29.108 35.001,-30.15 ; R11.1@35.27,-29.667 ccw(c35.57,-30.15) 35.001,-30.15 ; U1.42@56.46,-33.948 56.46,-32.039 55.104,-30.683 35.535,-30.683 35.001,-30.15
DOO2: R13.1 U1.41 | length 14.2
  Top Layer w0.254: R13.1@47.111,-29.698 cw(c46.964,-30.023) 47.32,-30.023 ; R13.1@47.32,-29.108 47.32,-30.023 ; R13.1@47.53,-29.698 ccw(c47.676,-30.023) 47.32,-30.023 ; U1.41@56.96,-33.948 56.96,-31.893 55.294,-30.226 47.523,-30.226 47.32,-30.023
DOO3: R16.1 U1.40 | length 7.6
  Top Layer w0.254: U1.40@57.46,-33.798 57.46,-31.897 58.852,-30.505 59.487,-30.505 59.639,-30.353 ; R16.1@59.305,-29.618 cw(c58.664,-30.353) 59.639,-30.353 ; R16.1@59.639,-29.108 59.639,-30.353 ; R16.1@59.973,-29.618 ccw(c60.614,-30.353) 59.639,-30.353
DOO4: R19.1 U1.39 | length 17.8
  Top Layer w0.254: U1.39@57.96,-33.798 57.96,-32.044 58.99,-31.013 71.552,-31.013 71.958,-30.607 R19.1@71.958,-29.108
DOO5: R20.1 U1.38 | length 30.8
  Top Layer w0.254: U1.38@58.46,-33.798 58.48,-33.779 58.48,-32.17 59.18,-31.471 74.508,-31.471 75.905,-30.074 83.058,-30.074 ; 83.246,-29.886 ccw(c82.595,-29.235) R20.1@83.515,-29.235 ; R20.1@83.441,-29.69 cw(c83.936,-30.185) R20.1@84,-29.488 ; R20.1@83.977,-29.741 ccw(c83.872,-30.887) 83.058,-30.074 ; R20.1@84.023,-29.108 83.058,-30.074
DOO6: R23.1 U1.33 | length 41
  Top Layer w0.254: U1.33@60.41,-36.748 66.463,-36.748 70.192,-33.02 95.707,-33.02 96.342,-32.385 R23.1@96.342,-29.108
DOO7: R25.1 U1.32 | length 54.5
  Top Layer w0.254: U1.32@60.41,-37.248 67.155,-37.248 69.25,-35.154 107.544,-35.154 108.661,-34.036 R25.1@108.661,-29.108
DOO8: R27.1 U1.29 | length 68.7
  Top Layer w0.254: U1.29@60.41,-38.748 68.322,-38.748 69.428,-37.643 119.532,-37.643 120.98,-36.195 120.98,-34.925 R27.1@120.98,-29.108
DOO9: R29.1 U1.28 | length 81
  Top Layer w0.254: U1.28@60.41,-39.248 68.397,-39.248 69.596,-38.049 131.166,-38.049 133.071,-36.144 133.071,-29.21 R29.1@133.172,-29.108
DOO10: R5.1 U1.27 | length 95.2
  Top Layer w0.254: U1.27@60.26,-39.748 68.472,-39.748 69.764,-38.456 75.844,-38.456 77.622,-40.234 142.342,-40.234 144.17,-38.405 144.17,-29.134 R5.1@144.145,-29.108
DOO11: R37.1 U1.26 | length 106.4
  Top Layer w0.254: U1.26@60.26,-40.248 68.546,-40.248 69.828,-38.967 75.781,-38.967 77.454,-40.64 153.391,-40.64 154.635,-39.395 154.635,-29.159 R37.1@154.584,-29.108
GND: C1.2 C2.2 C3.2 C4.2 C5.2 C6.2 C7.1 C8.2 C9.2 C10.2 D1.K D4.1 D5.1 D8.1 D9.1 D11.1 D12.1 D15.1 D16.1 D18.1 D19.1 D35.1 D36.1 G1.1 G2.1 G3.1 G4.1 G5.1 G6.1 G7.1 G8.1 G9.1 G10.1 G11.1 G12.1 J1.1 J1.5 P1.3 P2.2 P3.2 P4.1 P5.1 P8.1 P11.1 P12.1 P15.1 P18.1 P19.1 P22.1 P23.1 P24.1 P24.6 P24.7 P27.1 RESET.2 U1.8 U1.20 U1.23 U1.35 U1.44 U1.47 U2.1 U3.2 U3.8 U4.3 U7.3 U9.3 U12.3 U14.3 U17.3 U20.3 U21.3 U22.3 U23.3 U26.3 | length 57.4
  Top Layer w0.254: U1.8@52.01,-38.748 53.606,-38.748 53.95,-38.405 53.95,-37.135 ; U1.47@53.96,-33.798 53.95,-33.809 53.95,-37.135 ; v1@54.93,-37.373 ccw(c54.294,-38.01) 54.294,-37.109 ccw(c54.294,-36.209) v1@54.93,-36.846 ; v1(55.194,-37.109) 53.975,-37.109 53.95,-37.135 ; U1.44@55.46,-33.798 55.46,-35.267 55.941,-35.748 57.277,-35.748 ; U1.20@56.96,-42.198 56.96,-40.906 57.201,-40.665 ; v1@56.988,-38.364 cw(c56.351,-39) 57.252,-39 cw(c58.152,-39) v1@57.515,-38.364 ; v1@56.988,-36.846 ccw(c56.351,-36.209) 57.252,-36.209 ccw(c58.152,-36.209) v1@57.515,-36.846 ; v1(57.252,-38.1) 57.252,-40.615 57.201,-40.665 ; v1(57.252,-37.109) 57.252,-35.774 57.277,-35.748 ; U1.23@58.46,-42.198 58.46,-40.934 58.191,-40.665 57.201,-40.665 ; U1.35@60.41,-35.748 57.277,-35.748
  Top Layer w0.762: D1.K@9.563,-22.132 ccw(c7.999,-20.569) 10.211,-20.569 ; 9.83,-18.103 ccw(c11.31,-18.103) C5.2@10.263,-19.15 ; D1.K@10.211,-21.921 C5.2@10.211,-19.329 9.83,-18.948 C7.1@9.83,-16.662 11.1,-16.662 11.989,-15.773 11.989,-11.201 11.114,-10.326 U2.1@11.114,-7.826 ; U3.8@27.991,-37.871 29.337,-37.871 29.642,-38.176 C8.2@29.642,-40.03 ; U3.8@29.014,-37.84 cw(c29.014,-38.545) 29.512,-38.047 ; U3.8@29.019,-37.841 cw(c28.905,-38.569) 29.642,-38.569 ; U3.8@29.036,-37.849 cw(c27.574,-39.312) 29.642,-39.312 ; U3.2@33.691,-36.601 v1(35.052,-36.601) ; v1(44.399,-42.57) C3.2@45.898,-42.57 ; v1(44.425,-33.934) C1.2@45.898,-33.934
  other v1: 151.105,-54.585 150.139,-54.559 152.095,-54.559 149.174,-54.534 149.174,-53.619 150.139,-53.619 151.105,-53.619 152.095,-53.619 41.199,-51.587 97.511,-51.562 116.154,-51.562 50.648,-51.537 78.689,-51.537 88.062,-51.537 106.807,-51.537 59.919,-51.511 69.367,-51.46 127.483,-43.282 126.517,-43.256 128.473,-43.256 125.552,-43.231 125.552,-42.316 126.517,-42.316 127.483,-42.316 128.473,-42.316 67.132,-42.139 55.194,-38.125 56.21,-38.125 56.21,-37.109 65.481,-33.376
  other v2: 83.388,-39.243 84.125,-39.243 82.702,-39.218 152.629,-36.119 147.676,-36.093 152.629,-35.484 147.676,-35.433 152.629,-34.823 147.676,-34.773 147.676,-34.188 152.629,-34.188 77.648,-31.394 78.334,-31.394 79.07,-31.394
JTCK: P3.4 U1.37 | length 121.1
  Top Layer w0.254: U1.37@58.96,-33.798 58.96,-32.337 59.369,-31.928 74.625,-31.928 76.073,-30.48 93.624,-30.48 v2(94.285,-31.14) ; v2@94.162,-31.14 ccw(c93.865,-31.14) 94.075,-30.93 ccw(c94.285,-30.72) v2@94.285,-31.017
  Bottom Layer w0.254: v2(94.285,-31.14) 95.021,-30.404 133.553,-30.404 135.775,-32.626 143.674,-32.626 144.247,-33.198 P3.4@144.247,-64.135 ; v2@94.285,-31.017 ccw(c94.285,-30.72) 94.495,-30.93 ccw(c94.705,-31.14) v2@94.408,-31.14